# Altium PCB Minion_Rev2.PcbDoc (part 2 of 11)
Units mil, origin at the board's own origin, x right, y up, seen from the top; angles counter-clockwise.
Board outline 4724.41 x 6929.13 mil, 4 copper layers (L1, L2, L3, L4), stack 62.087 mil thick; 873 components, 147 nets, 5651 pads, 5666 vias.
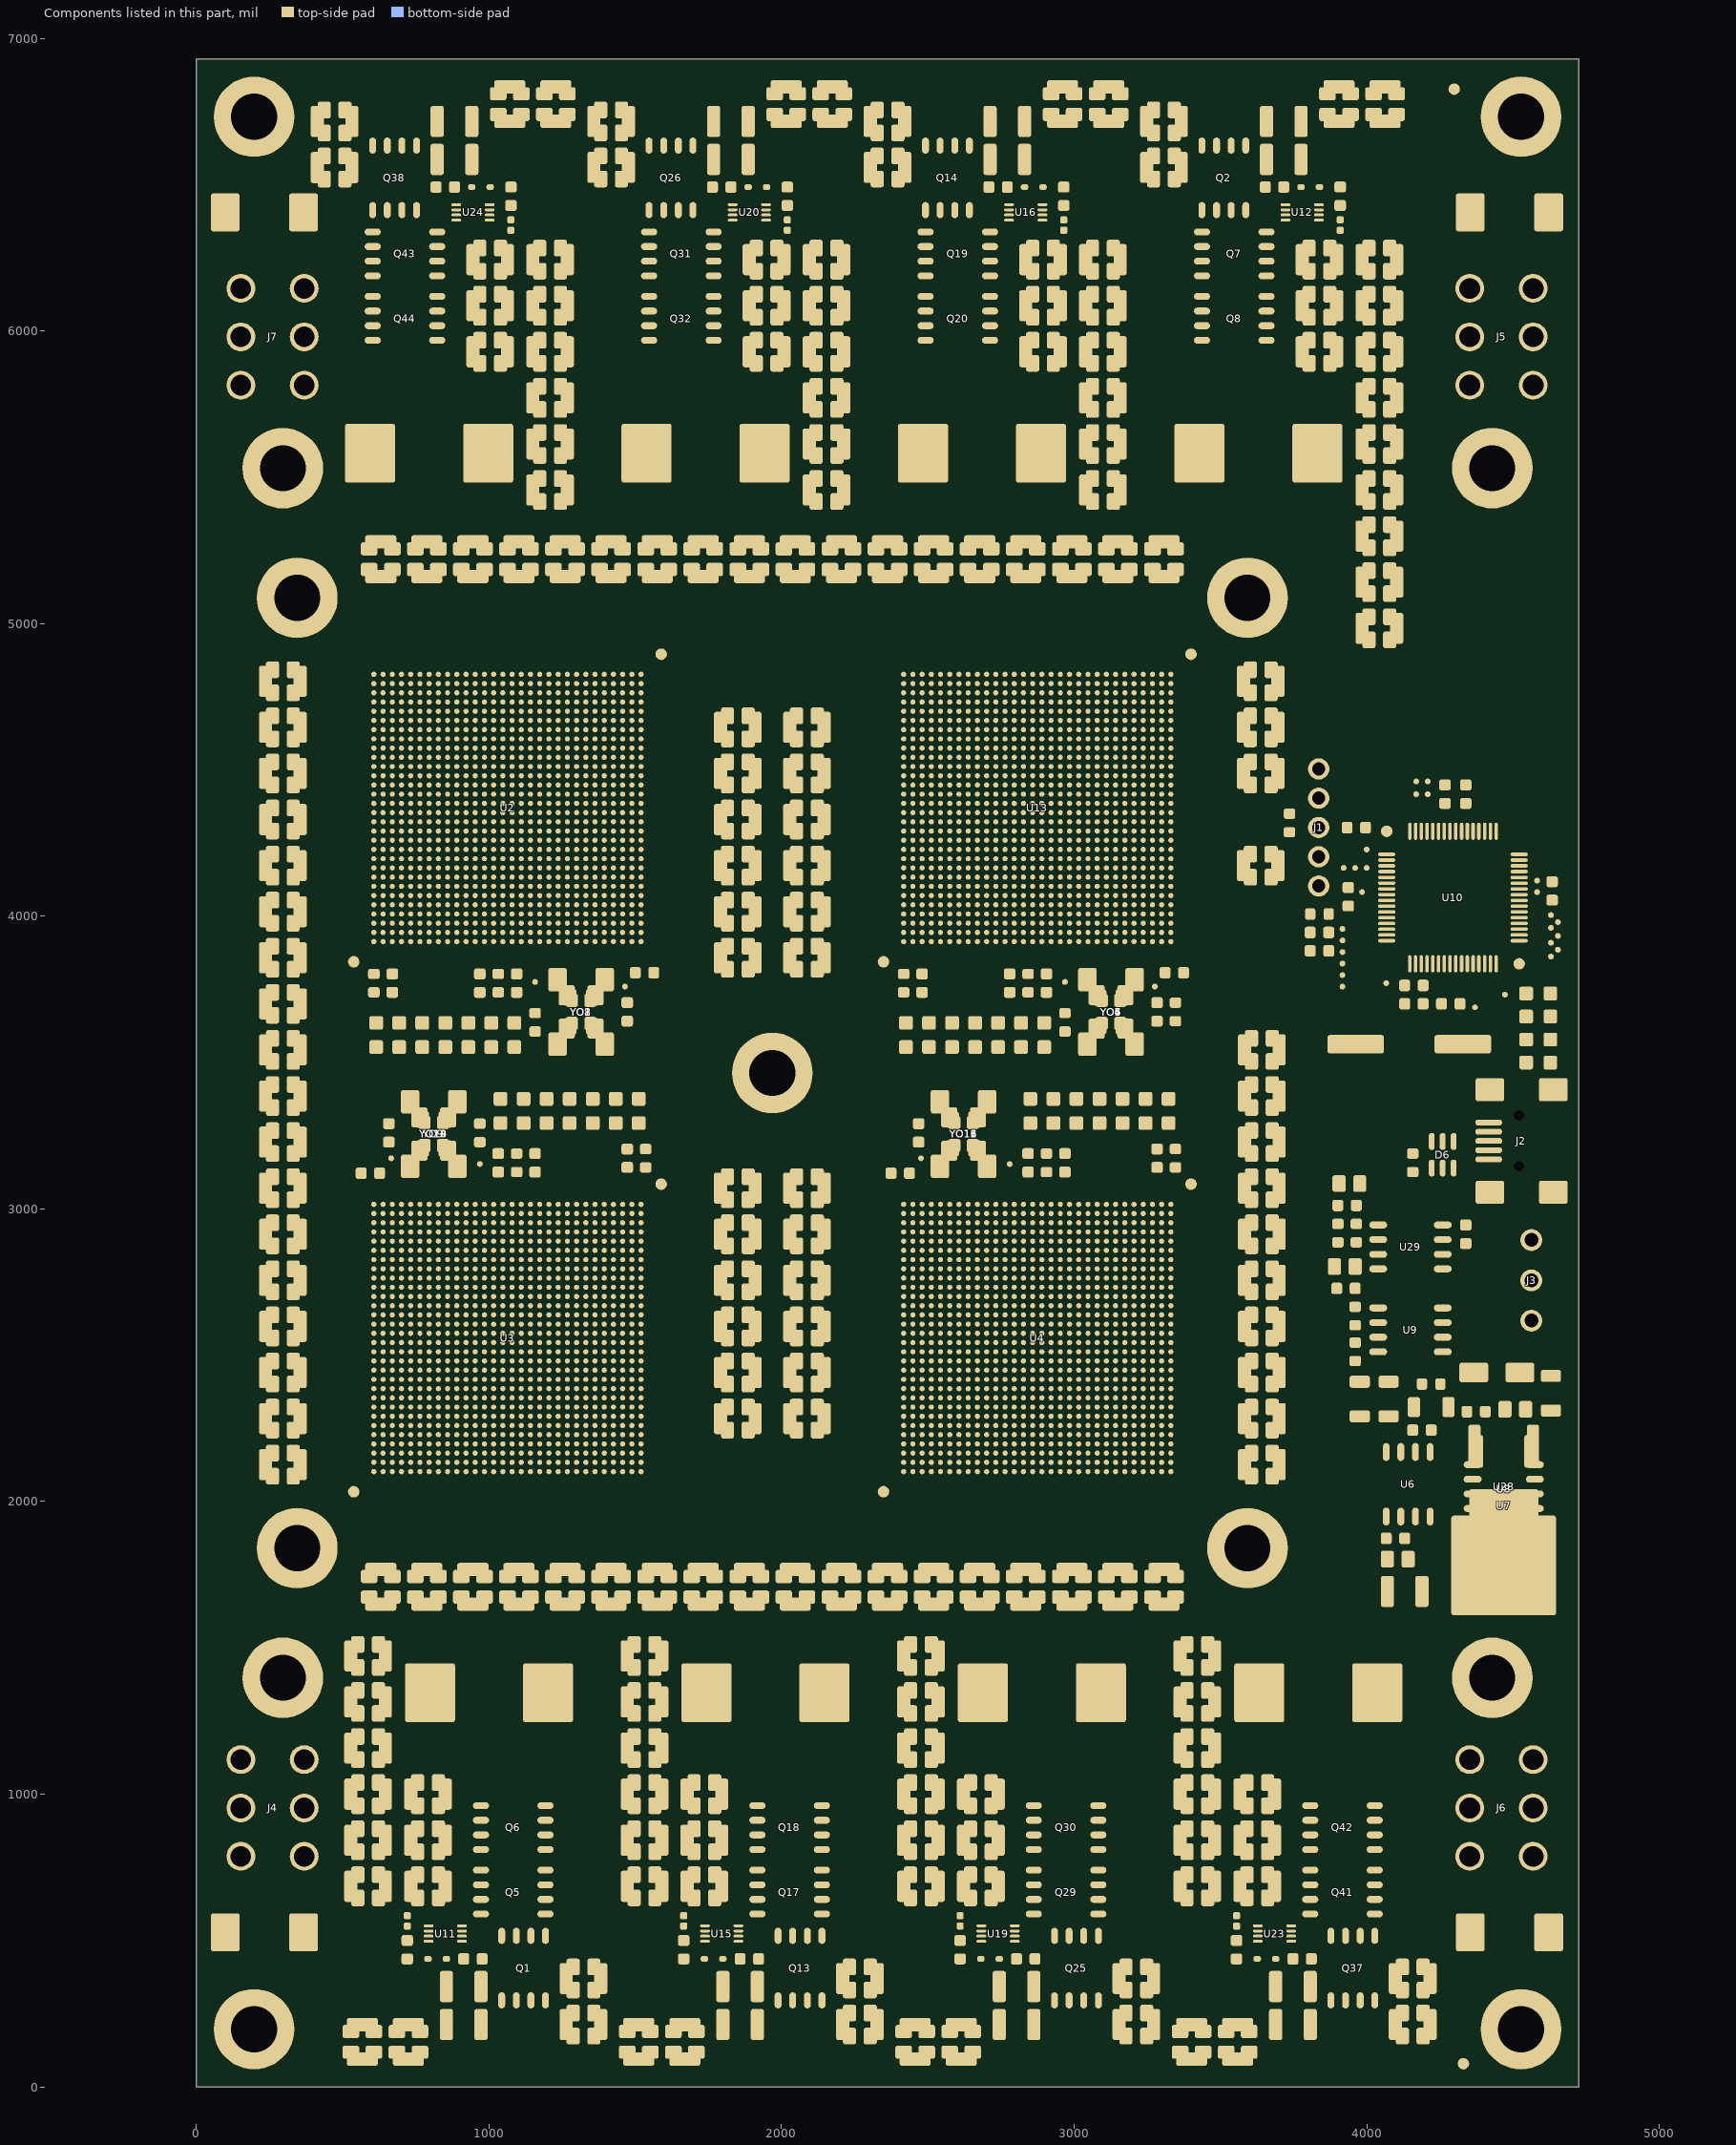
[diagram p4: the components of this part, seen from the top]

## Components (designator, comment, footprint, x,y, rotation, side; value= is the part's Value field where it differs from the comment) (continued)
C200 "220uF" SMD_1210_CAPC3225X279N 2086.61,4488.19 r180 top
C201 "220uF" SMD_1210_CAPC3225X279N 1850.39,3070.87 r0 top
C202 "220uF" SMD_1210_CAPC3225X279N 1850.39,2755.91 r0 top
C203 "220uF" SMD_1210_CAPC3225X279N 1850.39,2913.39 r0 top
C204 "220uF" SMD_1210_CAPC3225X279N 1850.39,2598.43 r0 top
C205 "220uF" SMD_1210_CAPC3225X279N 1850.39,2283.46 r0 top
C206 "220uF" SMD_1210_CAPC3225X279N 1850.39,2440.94 r0 top
C207 "220uF" SMD_1210_CAPC3225X279N 2086.61,2755.91 r180 top
C208 "220uF" SMD_1210_CAPC3225X279N 4043.31,4984.25 r180 top
C209 "220uF" SMD_1210_CAPC3225X279N 4043.31,5299.21 r180 top
C210 "220uF" SMD_1210_CAPC3225X279N 2086.61,3070.87 r180 top
C211 "220uF" SMD_1210_CAPC3225X279N 2086.61,2913.39 r180 top
C212 "220uF" SMD_1210_CAPC3225X279N 2086.61,2283.46 r180 top
C213 "220uF" SMD_1210_CAPC3225X279N 2086.61,2598.43 r180 top
C214 "220uF" SMD_1210_CAPC3225X279N 2086.61,2440.94 r180 top
C231 "22uF" SMD_0805_CAPC2012X145N 3940.94,3086.61 r180 top
C232 "100nF" SMD_0603_CAPC1608X95N 3933.07,3011.81 r180 top
C236 "220uF" SMD_1210_CAPC3225X279N 586.61,685.04 r0 top
C239 "220uF" SMD_1210_CAPC3225X279N 4043.31,5141.73 r180 top
C289 "100nF" SMD_0603_CAPC1608X95N 2779.53,3771.65 r90 top
C291 "100nF" SMD_0603_CAPC1608X95N 2968.5,3157.48 r270 top
C293 "100nF" SMD_0603_CAPC1608X95N 968.5,3771.65 r90 top
C294 "100nF" SMD_0603_CAPC1608X95N 1157.48,3157.48 r270 top
C303 "100nF" SMD_0603_CAPC1608X95N 2480.31,3771.65 r90 top
C304 "100nF" SMD_0603_CAPC1608X95N 1031.5,3157.48 r270 top
C305 "100nF" SMD_0603_CAPC1608X95N 1094.49,3771.65 r90 top
C306 "100nF" SMD_0603_CAPC1608X95N 2842.52,3157.48 r270 top
C307 "100nF" SMD_0603_CAPC1608X95N 2905.51,3771.65 r90 top
C309 "100nF" SMD_0603_CAPC1608X95N 669.29,3771.65 r90 top
C315 "100nF" SMD_0603_CAPC1608X95N 1472.44,3173.23 r270 top
C322 "100nF" SMD_0603_CAPC1608X95N 1472.44,3673.23 r90 top
C323 "22uF" SMD_0805_CAPC2012X145N 586.61,1039.37 r180 top
C324 "22uF" SMD_0805_CAPC2012X145N 586.61,960.63 r180 top
C325 "22uF" SMD_0805_CAPC2012X145N 586.61,803.15 r180 top
C326 "22uF" SMD_0805_CAPC2012X145N 586.61,881.89 r180 top
C327 "22uF" SMD_0805_CAPC2012X145N 586.61,645.67 r180 top
C328 "22uF" SMD_0805_CAPC2012X145N 586.61,724.41 r180 top
C329 "22uF" SMD_0805_CAPC2012X145N 791.34,1039.37 r0 top
C330 "22uF" SMD_0805_CAPC2012X145N 791.34,960.63 r0 top
C331 "22uF" SMD_0805_CAPC2012X145N 791.34,881.89 r0 top
C332 "22uF" SMD_0805_CAPC2012X145N 791.34,803.15 r0 top
C333 "22uF" SMD_0805_CAPC2012X145N 791.34,645.67 r0 top
C334 "22uF" SMD_0805_CAPC2012X145N 791.34,724.41 r0 top
C335 "22uF" SMD_0805_CAPC2012X145N 1531.5,1039.37 r180 top
C336 "22uF" SMD_0805_CAPC2012X145N 1531.5,960.63 r180 top
C337 "22uF" SMD_0805_CAPC2012X145N 1531.5,803.15 r180 top
C338 "22uF" SMD_0805_CAPC2012X145N 1531.5,881.89 r180 top
C339 "22uF" SMD_0805_CAPC2012X145N 1531.5,645.67 r180 top
C340 "22uF" SMD_0805_CAPC2012X145N 1531.5,724.41 r180 top
C341 "22uF" SMD_0805_CAPC2012X145N 1736.22,1039.37 r0 top
C342 "22uF" SMD_0805_CAPC2012X145N 1736.22,960.63 r0 top
C343 "22uF" SMD_0805_CAPC2012X145N 1736.22,881.89 r0 top
C344 "22uF" SMD_0805_CAPC2012X145N 1736.22,803.15 r0 top
C345 "22uF" SMD_0805_CAPC2012X145N 1736.22,645.67 r0 top
C346 "22uF" SMD_0805_CAPC2012X145N 1736.22,724.41 r0 top
C347 "1uF" SMD_0603_CAPC1608X95N 4098.43,1874.02 r0 top
C348 "100uF" SMD_1210_CAPC3225X270N 3307.09,6716.54 r0 top
C349 "100uF" SMD_1210_CAPC3225X270N 3716.54,6716.54 r180 top
C350 "220uF" SMD_1210_CAPC3225X279N 3838.58,6086.61 r0 top
C351 "220uF" SMD_1210_CAPC3225X279N 3838.58,5929.13 r0 top
C352 "220uF" SMD_1210_CAPC3225X279N 3838.58,6244.09 r0 top
C353 "22uF" SMD_0805_CAPC2012X145N 2476.38,1039.37 r180 top
C354 "22uF" SMD_0805_CAPC2012X145N 2476.38,960.63 r180 top
C355 "22uF" SMD_0805_CAPC2012X145N 2476.38,803.15 r180 top
C356 "22uF" SMD_0805_CAPC2012X145N 2476.38,881.89 r180 top
C357 "22uF" SMD_0805_CAPC2012X145N 2476.38,645.67 r180 top
C358 "22uF" SMD_0805_CAPC2012X145N 2476.38,724.41 r180 top
C359 "22uF" SMD_0805_CAPC2012X145N 2681.1,1039.37 r0 top
C360 "22uF" SMD_0805_CAPC2012X145N 2681.1,960.63 r0 top
C361 "22uF" SMD_0805_CAPC2012X145N 2681.1,881.89 r0 top
C362 "22uF" SMD_0805_CAPC2012X145N 2681.1,803.15 r0 top
C363 "22uF" SMD_0805_CAPC2012X145N 2681.1,645.67 r0 top
C364 "22uF" SMD_0805_CAPC2012X145N 2681.1,724.41 r0 top
C365 "22uF" SMD_0805_CAPC2012X145N 3421.26,1039.37 r180 top
C366 "22uF" SMD_0805_CAPC2012X145N 3421.26,960.63 r180 top
C367 "22uF" SMD_0805_CAPC2012X145N 3421.26,803.15 r180 top
C368 "22uF" SMD_0805_CAPC2012X145N 3421.26,881.89 r180 top
C369 "22uF" SMD_0805_CAPC2012X145N 3421.26,645.67 r180 top
C370 "22uF" SMD_0805_CAPC2012X145N 3421.26,724.41 r180 top
C371 "22uF" SMD_0805_CAPC2012X145N 3625.98,1039.37 r0 top
C372 "22uF" SMD_0805_CAPC2012X145N 3625.98,960.63 r0 top
C373 "22uF" SMD_0805_CAPC2012X145N 3625.98,881.89 r0 top
C374 "22uF" SMD_0805_CAPC2012X145N 3625.98,803.15 r0 top
C375 "22uF" SMD_0805_CAPC2012X145N 3625.98,645.67 r0 top
C376 "22uF" SMD_0805_CAPC2012X145N 3625.98,724.41 r0 top
C377 "10uF" SMD_0805_CAPC2012X145N 1322.83,330.71 r0 top
C378 "10uF" SMD_0805_CAPC2012X145N 1322.83,409.45 r0 top
C379 "10uF" SMD_0805_CAPC2012X145N 1322.83,173.23 r0 top
C380 "10uF" SMD_0805_CAPC2012X145N 1322.83,251.97 r0 top
C381 "10uF" SMD_0805_CAPC2012X145N 2267.72,330.71 r0 top
C382 "10uF" SMD_0805_CAPC2012X145N 2267.72,409.45 r0 top
C383 "10uF" SMD_0805_CAPC2012X145N 2267.72,173.23 r0 top
C384 "10uF" SMD_0805_CAPC2012X145N 2267.72,251.97 r0 top
C385 "10uF" SMD_0805_CAPC2012X145N 3212.6,330.71 r0 top
C386 "10uF" SMD_0805_CAPC2012X145N 3212.6,409.45 r0 top
C387 "10uF" SMD_0805_CAPC2012X145N 3212.6,173.23 r0 top
C388 "10uF" SMD_0805_CAPC2012X145N 3212.6,251.97 r0 top
C389 "10uF" SMD_0805_CAPC2012X145N 4157.48,330.71 r0 top
C390 "10uF" SMD_0805_CAPC2012X145N 4157.48,409.45 r0 top
C391 "10uF" SMD_0805_CAPC2012X145N 4157.48,173.23 r0 top
C392 "10uF" SMD_0805_CAPC2012X145N 4157.48,251.97 r0 top
C393 "220uF" SMD_1210_CAPC3225X279N 2893.7,6086.61 r0 top
C394 "220uF" SMD_1210_CAPC3225X279N 2893.7,5929.13 r0 top
C395 "220uF" SMD_1210_CAPC3225X279N 2893.7,6244.09 r0 top
C396 "220uF" SMD_1210_CAPC3225X279N 1948.82,6086.61 r0 top
C397 "220uF" SMD_1210_CAPC3225X279N 1948.82,5929.13 r0 top
C398 "220uF" SMD_1210_CAPC3225X279N 1948.82,6244.09 r0 top
C399 "220uF" SMD_1210_CAPC3225X279N 1003.94,6086.61 r0 top
C400 "220uF" SMD_1210_CAPC3225X279N 1003.94,5929.13 r0 top
C401 "220uF" SMD_1210_CAPC3225X279N 1003.94,6244.09 r0 top
C402 "100uF" SMD_1210_CAPC3225X270N 2362.2,6716.54 r0 top
C403 "100uF" SMD_1210_CAPC3225X270N 2771.65,6716.54 r180 top
C404 "100uF" SMD_1210_CAPC3225X270N 1417.32,6716.54 r0 top
C405 "100uF" SMD_1210_CAPC3225X270N 1826.77,6716.54 r180 top
C406 "100uF" SMD_1210_CAPC3225X270N 472.12,6558.72 r0 top
C407 "100uF" SMD_1210_CAPC3225X270N 881.89,6716.54 r180 top
C408 "220uF" SMD_1210_CAPC3225X279N 791.34,842.52 r180 top
C409 "220uF" SMD_1210_CAPC3225X279N 791.34,1000 r180 top
C410 "220uF" SMD_1210_CAPC3225X279N 791.34,685.04 r180 top
C411 "220uF" SMD_1210_CAPC3225X279N 1736.22,842.52 r180 top
C412 "220uF" SMD_1210_CAPC3225X279N 1736.22,1000 r180 top
C413 "220uF" SMD_1210_CAPC3225X279N 1736.22,685.04 r180 top
C414 "220uF" SMD_1210_CAPC3225X279N 2681.1,842.52 r180 top
C415 "220uF" SMD_1210_CAPC3225X279N 2681.1,1000 r180 top
C416 "220uF" SMD_1210_CAPC3225X279N 2681.1,685.04 r180 top
C417 "220uF" SMD_1210_CAPC3225X279N 3625.98,842.52 r180 top
C418 "220uF" SMD_1210_CAPC3225X279N 3625.98,1000 r180 top
C419 "220uF" SMD_1210_CAPC3225X279N 3625.98,685.04 r180 top
C420 "100uF" SMD_1210_CAPC3225X270N 1322.83,212.6 r180 top
C421 "100uF" SMD_1210_CAPC3225X270N 913.39,212.6 r0 top
C422 "100uF" SMD_1210_CAPC3225X270N 2267.72,212.6 r180 top
C423 "100uF" SMD_1210_CAPC3225X270N 1858.27,212.6 r0 top
C424 "100uF" SMD_1210_CAPC3225X270N 3212.6,212.6 r180 top
C425 "100uF" SMD_1210_CAPC3225X270N 2803.15,212.6 r0 top
C426 "100uF" SMD_1210_CAPC3225X270N 4157.48,212.6 r180 top
C427 "100uF" SMD_1210_CAPC3225X270N 3748.03,212.6 r0 top
C428 "10uF" SMD_0805_CAPC2012X145N 3307.09,6598.43 r180 top
C429 "10uF" SMD_0805_CAPC2012X145N 3307.09,6519.69 r180 top
C430 "10uF" SMD_0805_CAPC2012X145N 3307.09,6755.91 r180 top
C431 "10uF" SMD_0805_CAPC2012X145N 3307.09,6677.17 r180 top
C432 "10uF" SMD_0805_CAPC2012X145N 2362.2,6598.43 r180 top
C433 "10uF" SMD_0805_CAPC2012X145N 2362.2,6519.69 r180 top
C434 "10uF" SMD_0805_CAPC2012X145N 2362.2,6755.91 r180 top
C435 "10uF" SMD_0805_CAPC2012X145N 2362.2,6677.17 r180 top
C436 "10uF" SMD_0805_CAPC2012X145N 1417.32,6598.43 r180 top
C437 "10uF" SMD_0805_CAPC2012X145N 1417.32,6519.69 r180 top
C438 "10uF" SMD_0805_CAPC2012X145N 1417.32,6755.91 r180 top
C439 "10uF" SMD_0805_CAPC2012X145N 1417.32,6677.17 r180 top
C440 "10uF" SMD_0805_CAPC2012X145N 472.12,6755.57 r180 top
C441 "10uF" SMD_0805_CAPC2012X145N 472.12,6676.83 r180 top
C442 "10uF" SMD_0805_CAPC2012X145N 472.12,6598.09 r180 top
C443 "10uF" SMD_0805_CAPC2012X145N 472.12,6519.35 r180 top
C444 "22uF" SMD_0805_CAPC2012X145N 4043.31,5889.76 r0 top
C445 "22uF" SMD_0805_CAPC2012X145N 4043.31,5968.5 r0 top
C446 "22uF" SMD_0805_CAPC2012X145N 4043.31,6125.98 r0 top
C447 "22uF" SMD_0805_CAPC2012X145N 4043.31,6047.24 r0 top
C448 "22uF" SMD_0805_CAPC2012X145N 4043.31,6283.46 r0 top
C449 "22uF" SMD_0805_CAPC2012X145N 4043.31,6204.72 r0 top
C450 "22uF" SMD_0805_CAPC2012X145N 3838.58,5889.76 r180 top
C451 "22uF" SMD_0805_CAPC2012X145N 3838.58,5968.5 r180 top
C452 "22uF" SMD_0805_CAPC2012X145N 3838.58,6047.24 r180 top
C453 "22uF" SMD_0805_CAPC2012X145N 3838.58,6125.98 r180 top
C454 "22uF" SMD_0805_CAPC2012X145N 3838.58,6283.46 r180 top
C455 "22uF" SMD_0805_CAPC2012X145N 3838.58,6204.72 r180 top
C456 "22uF" SMD_0805_CAPC2012X145N 3098.43,5889.76 r0 top
C457 "22uF" SMD_0805_CAPC2012X145N 3098.43,5968.5 r0 top
C458 "22uF" SMD_0805_CAPC2012X145N 3098.43,6125.98 r0 top
C459 "22uF" SMD_0805_CAPC2012X145N 3098.43,6047.24 r0 top
C460 "22uF" SMD_0805_CAPC2012X145N 3098.43,6283.46 r0 top
C461 "22uF" SMD_0805_CAPC2012X145N 3098.43,6204.72 r0 top
C462 "22uF" SMD_0805_CAPC2012X145N 2893.7,5889.76 r180 top
C463 "22uF" SMD_0805_CAPC2012X145N 2893.7,5968.5 r180 top
C464 "22uF" SMD_0805_CAPC2012X145N 2893.7,6047.24 r180 top
C465 "22uF" SMD_0805_CAPC2012X145N 2893.7,6125.98 r180 top
C466 "22uF" SMD_0805_CAPC2012X145N 2893.7,6283.46 r180 top
C467 "22uF" SMD_0805_CAPC2012X145N 2893.7,6204.72 r180 top
C468 "22uF" SMD_0805_CAPC2012X145N 2153.54,5889.76 r0 top
C469 "22uF" SMD_0805_CAPC2012X145N 2153.54,5968.5 r0 top
C470 "22uF" SMD_0805_CAPC2012X145N 2153.54,6125.98 r0 top
C471 "22uF" SMD_0805_CAPC2012X145N 2153.54,6047.24 r0 top
C472 "22uF" SMD_0805_CAPC2012X145N 2153.54,6283.46 r0 top
C473 "22uF" SMD_0805_CAPC2012X145N 2153.54,6204.72 r0 top
C474 "22uF" SMD_0805_CAPC2012X145N 1948.82,5889.76 r180 top
C475 "22uF" SMD_0805_CAPC2012X145N 1948.82,5968.5 r180 top
C476 "22uF" SMD_0805_CAPC2012X145N 1948.82,6047.24 r180 top
C477 "22uF" SMD_0805_CAPC2012X145N 1948.82,6125.98 r180 top
C478 "22uF" SMD_0805_CAPC2012X145N 1948.82,6283.46 r180 top
C479 "22uF" SMD_0805_CAPC2012X145N 1948.82,6204.72 r180 top
C480 "22uF" SMD_0805_CAPC2012X145N 1208.66,5889.76 r0 top
C481 "22uF" SMD_0805_CAPC2012X145N 1208.66,5968.5 r0 top
C482 "22uF" SMD_0805_CAPC2012X145N 1208.66,6125.98 r0 top
C483 "22uF" SMD_0805_CAPC2012X145N 1208.66,6047.24 r0 top
C484 "22uF" SMD_0805_CAPC2012X145N 1208.66,6283.46 r0 top
C485 "22uF" SMD_0805_CAPC2012X145N 1208.66,6204.72 r0 top
C486 "22uF" SMD_0805_CAPC2012X145N 1003.94,5889.76 r180 top
C487 "22uF" SMD_0805_CAPC2012X145N 1003.94,5968.5 r180 top
C488 "22uF" SMD_0805_CAPC2012X145N 1003.94,6047.24 r180 top
C489 "22uF" SMD_0805_CAPC2012X145N 1003.94,6125.98 r180 top
C490 "22uF" SMD_0805_CAPC2012X145N 1003.94,6283.46 r180 top
C491 "22uF" SMD_0805_CAPC2012X145N 1003.94,6204.72 r180 top
C592 "10uF" SMD_0805_CAPC2012X145N 4507.87,2314.96 r180 top
C593 "100uF" SMD_1210_CAPC3225X270N 724.41,153.54 r270 top
C594 "100nF" SMD_0603_CAPC1608X95N 3342.52,3807.09 r0 top
C595 "100nF" SMD_0603_CAPC1608X95N 1531.5,3807.09 r0 top
C596 "100uF" SMD_1210_CAPC3225X270N 3905.51,6775.59 r90 top
C597 "100nF" SMD_0603_CAPC1608X95N 594.49,3122.05 r180 top
C598 "10uF" SMD_0805_CAPC2012X145N 4102.36,6775.59 r270 top
C599 "100uF" SMD_1210_CAPC3225X270N 2960.63,6775.59 r90 top
C600 "10uF" SMD_0805_CAPC2012X145N 527.56,153.54 r90 top
C601 "100nF" SMD_0603_CAPC1608X95N 2405.51,3122.05 r180 top
C602 "100uF" SMD_1210_CAPC3225X270N 4062.99,6775.59 r90 top
C603 "10uF" SMD_0805_CAPC2012X145N 1629.92,153.54 r90 top
C604 "100nF" SMD_0603_CAPC1608X95N 3283.46,3673.23 r90 top
C605 "100uF" SMD_1210_CAPC3225X270N 1669.29,153.54 r270 top
C606 "10uF" SMD_0805_CAPC2012X145N 3000,6775.59 r270 top
C608 "100nF" SMD_0603_CAPC1608X95N 3838.58,3881.89 r180 top
C609 "100nF" SMD_0603_CAPC1608X95N 657.48,3259.84 r270 top
C610 "100nF" SMD_0603_CAPC1608X95N 2468.5,3259.84 r270 top
C616 "100nF" SMD_0603_CAPC1608X95N 3283.46,3173.23 r270 top
C640 "10uF" SMD_0805_CAPC2012X145N 1267.72,6775.59 r270 top
C642 "10uF" SMD_0805_CAPC2012X145N 1110.24,6775.59 r270 top
C643 "10uF" SMD_0805_CAPC2012X145N 1031.5,6775.59 r270 top
C645 "10uF" SMD_0805_CAPC2012X145N 3362.2,153.54 r90 top
C646 "10uF" SMD_0805_CAPC2012X145N 3519.68,153.54 r90 top
C652 "22uF" SMD_0805_CAPC2012X145N 586.61,1196.85 r180 top
C653 "220uF" SMD_1210_CAPC3225X279N 586.61,1157.48 r0 top
C654 "22uF" SMD_0805_CAPC2012X145N 586.61,1118.11 r180 top
C655 "22uF" SMD_0805_CAPC2012X145N 1531.5,1196.85 r180 top
C656 "220uF" SMD_1210_CAPC3225X279N 1531.5,1157.48 r0 top
C657 "22uF" SMD_0805_CAPC2012X145N 1531.5,1118.11 r180 top
C658 "22uF" SMD_0805_CAPC2012X145N 2476.38,1196.85 r180 top
C659 "220uF" SMD_1210_CAPC3225X279N 2476.38,1157.48 r0 top
C660 "22uF" SMD_0805_CAPC2012X145N 2476.38,1118.11 r180 top
C661 "22uF" SMD_0805_CAPC2012X145N 3421.26,1196.85 r180 top
C662 "220uF" SMD_1210_CAPC3225X279N 3421.26,1157.48 r0 top
C663 "22uF" SMD_0805_CAPC2012X145N 3421.26,1118.11 r180 top
C664 "22uF" SMD_0805_CAPC2012X145N 4043.31,5732.28 r0 top
C665 "220uF" SMD_1210_CAPC3225X279N 4043.31,5771.65 r180 top
C666 "22uF" SMD_0805_CAPC2012X145N 4043.31,5811.02 r0 top
C667 "22uF" SMD_0805_CAPC2012X145N 3098.43,5732.28 r0 top
C668 "220uF" SMD_1210_CAPC3225X279N 3098.43,5771.65 r180 top
C669 "22uF" SMD_0805_CAPC2012X145N 3098.43,5811.02 r0 top
C670 "22uF" SMD_0805_CAPC2012X145N 2153.54,5732.28 r0 top
C671 "220uF" SMD_1210_CAPC3225X279N 2153.54,5771.65 r180 top
C672 "22uF" SMD_0805_CAPC2012X145N 2153.54,5811.02 r0 top
C673 "22uF" SMD_0805_CAPC2012X145N 1208.66,5732.28 r0 top
C674 "220uF" SMD_1210_CAPC3225X279N 1208.66,5771.65 r180 top
C675 "22uF" SMD_0805_CAPC2012X145N 1208.66,5811.02 r0 top
C676 "22uF" SMD_0805_CAPC2012X145N 295.28,2716.54 r0 top
C677 "220uF" SMD_1210_CAPC3225X279N 295.28,2755.91 r180 top
C678 "22uF" SMD_0805_CAPC2012X145N 295.28,2795.28 r0 top
C679 "22uF" SMD_0805_CAPC2012X145N 295.28,2637.8 r0 top
C680 "220uF" SMD_1210_CAPC3225X279N 295.28,2440.94 r180 top
C681 "22uF" SMD_0805_CAPC2012X145N 295.28,2559.06 r0 top
C686 "100uF" SMD_1210_CAPC3225X270N 2173.23,6775.59 r90 top
C688 "10uF" SMD_0805_CAPC2012X145N 3598.43,153.54 r90 top
C689 "100uF" SMD_1210_CAPC3225X270N 566.93,153.54 r270 top
C692 "100uF" SMD_1210_CAPC3225X270N 2456.69,153.54 r270 top
C695 "100uF" SMD_1210_CAPC3225X270N 2614.17,153.54 r270 top
C711 "10uF" SMD_0805_CAPC2012X145N 1188.98,6775.59 r270 top
C712 "10uF" SMD_0805_CAPC2012X145N 2133.86,6775.59 r270 top
C714 "10uF" SMD_0805_CAPC2012X145N 2212.6,6775.59 r270 top
C715 "10uF" SMD_0805_CAPC2012X145N 3440.94,153.54 r90 top
C717 "10uF" SMD_0805_CAPC2012X145N 2496.06,153.54 r90 top
C742 "22uF" SMD_0805_CAPC2012X145N 295.28,2401.57 r0 top
C743 "220uF" SMD_1210_CAPC3225X279N 295.28,2598.43 r180 top
C744 "22uF" SMD_0805_CAPC2012X145N 295.28,2480.32 r0 top
C745 "22uF" SMD_0805_CAPC2012X145N 295.28,3188.98 r0 top
C746 "220uF" SMD_1210_CAPC3225X279N 295.28,3228.35 r180 top
C747 "22uF" SMD_0805_CAPC2012X145N 295.28,3267.72 r0 top
C748 "22uF" SMD_0805_CAPC2012X145N 295.28,3110.24 r0 top
C749 "220uF" SMD_1210_CAPC3225X279N 295.28,2913.39 r180 top
C750 "22uF" SMD_0805_CAPC2012X145N 295.28,3031.5 r0 top
C751 "22uF" SMD_0805_CAPC2012X145N 295.28,2874.02 r0 top
C752 "220uF" SMD_1210_CAPC3225X279N 295.28,3070.87 r180 top
C753 "22uF" SMD_0805_CAPC2012X145N 295.28,2952.76 r0 top
C754 "22uF" SMD_0805_CAPC2012X145N 295.28,3661.42 r0 top
C755 "220uF" SMD_1210_CAPC3225X279N 295.28,3700.79 r180 top
C756 "22uF" SMD_0805_CAPC2012X145N 295.28,3740.16 r0 top
C757 "22uF" SMD_0805_CAPC2012X145N 295.28,3582.68 r0 top
C758 "220uF" SMD_1210_CAPC3225X279N 295.28,3385.83 r180 top
C759 "22uF" SMD_0805_CAPC2012X145N 295.28,3503.94 r0 top
C760 "22uF" SMD_0805_CAPC2012X145N 295.28,3346.46 r0 top
C761 "220uF" SMD_1210_CAPC3225X279N 295.28,3543.31 r180 top
C762 "22uF" SMD_0805_CAPC2012X145N 295.28,3425.2 r0 top
C763 "22uF" SMD_0805_CAPC2012X145N 295.28,4133.86 r0 top
C764 "220uF" SMD_1210_CAPC3225X279N 295.28,4173.23 r180 top
C765 "22uF" SMD_0805_CAPC2012X145N 295.28,4212.6 r0 top
C766 "22uF" SMD_0805_CAPC2012X145N 295.28,4055.12 r0 top
C767 "220uF" SMD_1210_CAPC3225X279N 295.28,3858.27 r180 top
C768 "22uF" SMD_0805_CAPC2012X145N 295.28,3976.38 r0 top
C769 "22uF" SMD_0805_CAPC2012X145N 295.28,3818.9 r0 top
C770 "220uF" SMD_1210_CAPC3225X279N 295.28,4015.75 r180 top
C771 "22uF" SMD_0805_CAPC2012X145N 295.28,3897.64 r0 top
C776 "100uF" SMD_1210_CAPC3225X270N 2015.75,6775.59 r90 top
C779 "100uF" SMD_1210_CAPC3225X270N 1228.35,6775.59 r90 top
C782 "100uF" SMD_1210_CAPC3225X270N 3401.57,153.54 r270 top
C785 "100uF" SMD_1210_CAPC3225X270N 3559.06,153.54 r270 top
C807 "10uF" SMD_0805_CAPC2012X145N 2417.32,153.54 r90 top
C808 "10uF" SMD_0805_CAPC2012X145N 606.3,153.54 r90 top
C810 "10uF" SMD_0805_CAPC2012X145N 1708.66,153.54 r90 top
C811 "10uF" SMD_0805_CAPC2012X145N 4023.62,6775.59 r270 top
C813 "10uF" SMD_0805_CAPC2012X145N 685.04,153.54 r90 top
C814 "10uF" SMD_0805_CAPC2012X145N 2921.26,6775.59 r270 top
C832 "22uF" SMD_0805_CAPC2012X145N 586.61,1354.33 r180 top
C833 "220uF" SMD_1210_CAPC3225X279N 586.61,1314.96 r0 top
C834 "22uF" SMD_0805_CAPC2012X145N 586.61,1275.59 r180 top
C835 "22uF" SMD_0805_CAPC2012X145N 1531.5,1354.33 r180 top
C836 "220uF" SMD_1210_CAPC3225X279N 1531.5,1314.96 r0 top
C837 "22uF" SMD_0805_CAPC2012X145N 1531.5,1275.59 r180 top